# Allegro board RK3576_Template_LP5D315P132SD8_25x36_2400MHz_H1R0_V11_20240530YWQ.brd (continued)
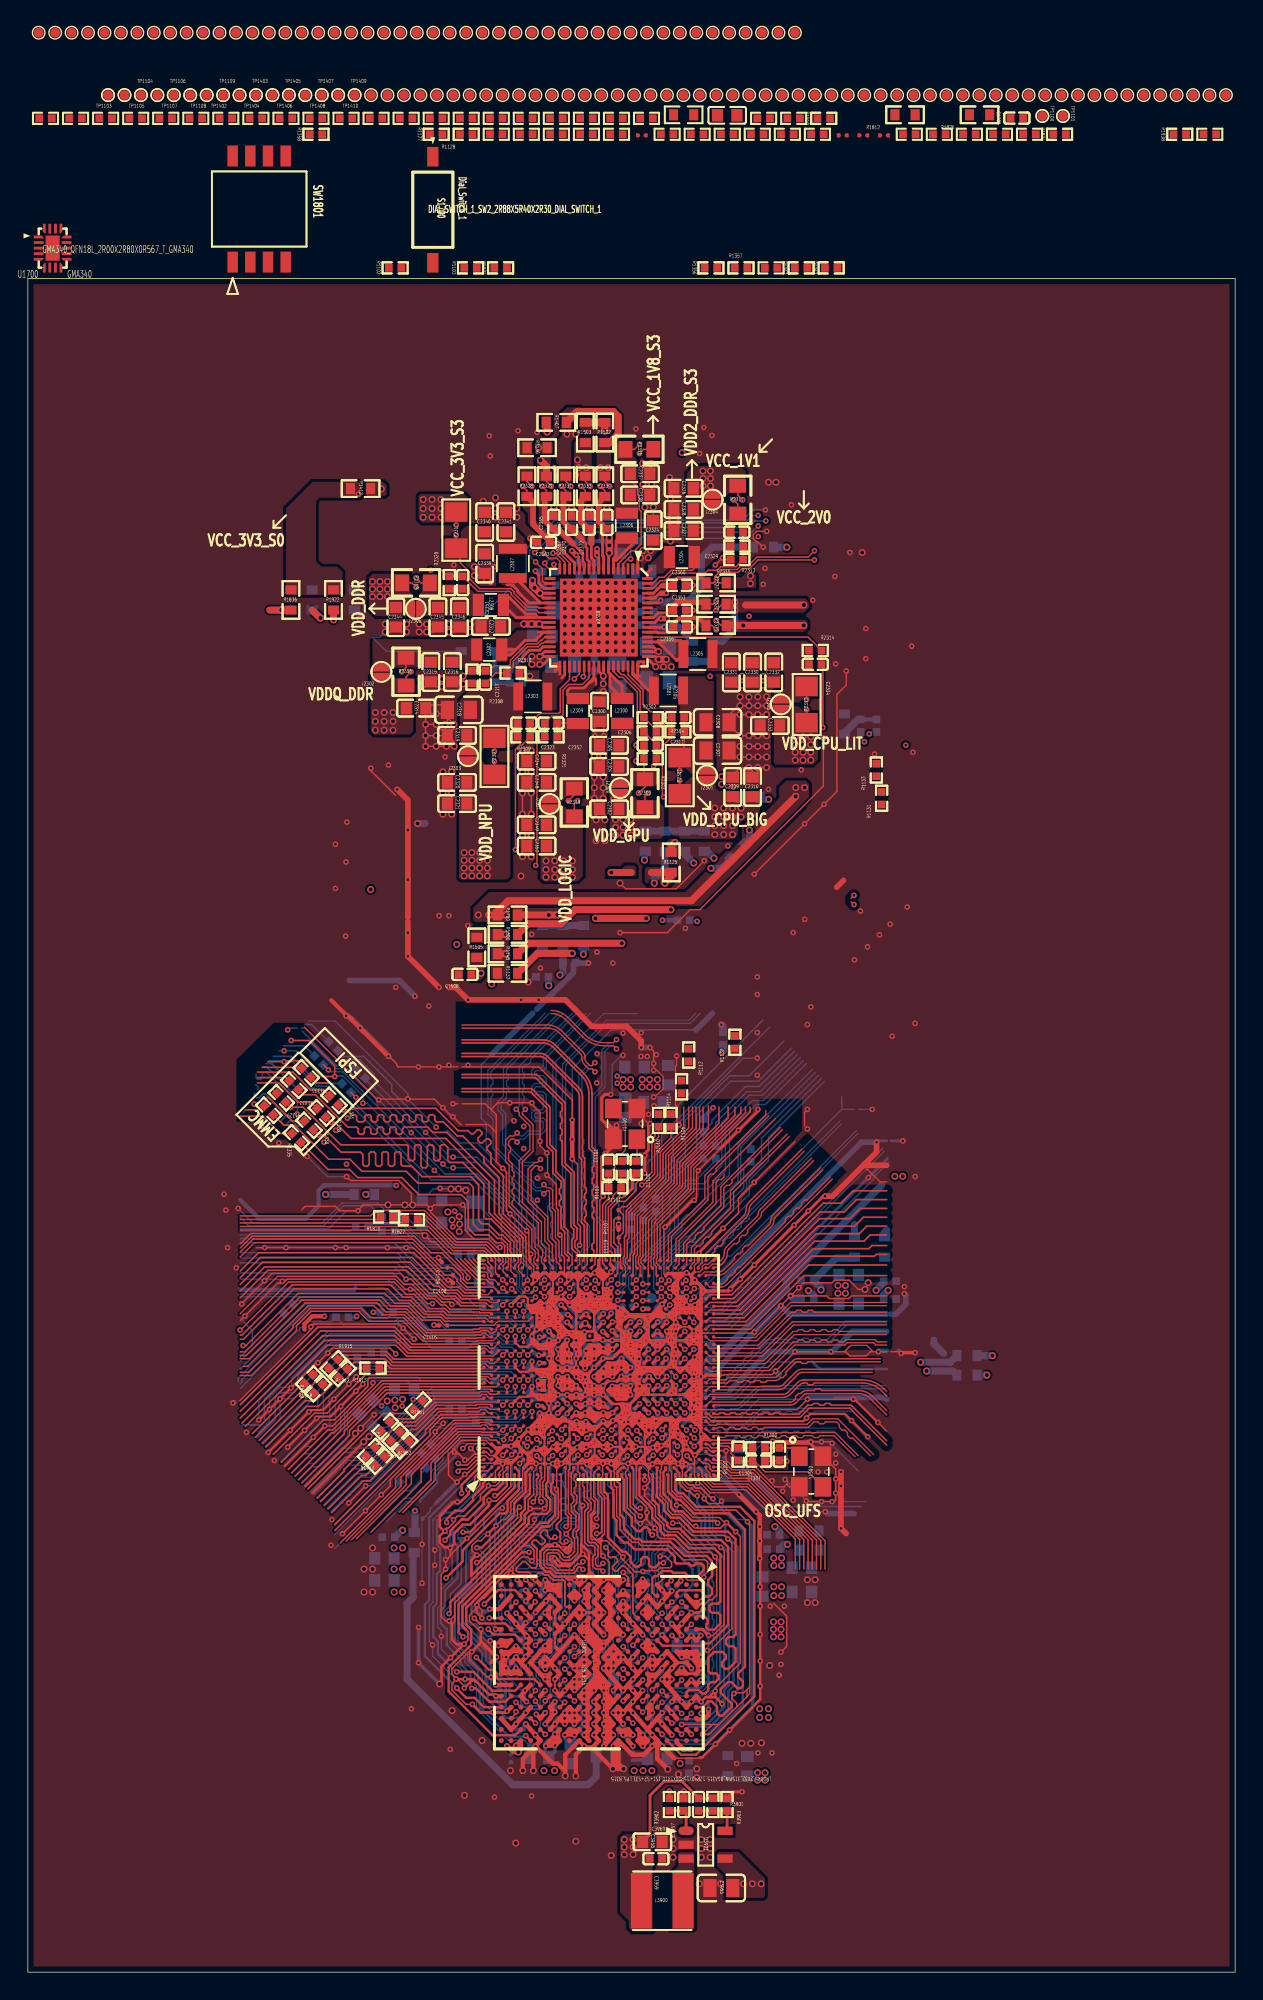
[diagram p0: board, top side]
## Routing (per net, layer and track width the routed paths; a pad name or vN(x,y) marks a point on that pad's centre or on a via; arc(x,y) is an arc through that point) (continued)
UFS_TX_REXT: length 0.9
  TOP w0.102: U1000.2R2 v1(46.55,40.18)
  BOTTOM w0.305: v1(46.55,40.18) 46.79,39.94 R1301.1
USB2_HOST1_DM: length 18
  TOP w0.107: U1000.2T5 v1(47.2,42.78)
  BOTTOM w0.107: v1(47.2,42.78) 47.44,42.54 47.61,42.54 47.87,42.29 48.17,42.29 48.29,42.41 48.59,42.41 48.71,42.29 49.02,42.29 49.13,42.41 49.44,42.41 49.55,42.29 49.89,42.29 50.22,42.62 50.22,42.78 50.43,43 50.6,43 50.81,43.22 50.81,43.38 51.03,43.6 51.19,43.6 51.41,43.81 51.41,43.98 51.63,44.19 51.79,44.19 52.01,44.41 52.01,44.57 52.22,44.79 52.39,44.79 53.03,45.44 53.59,45.44 53.7,45.54 54,45.54 54.11,45.44 54.73,45.44 54.84,45.54 55.14,45.54 55.25,45.44 55.62,45.44 55.73,45.54 56.03,45.54 56.14,45.44 56.44,45.44 56.55,45.54 56.86,45.54 56.96,45.44 57.44,45.44 58.76,46.76 61.7,46.76
USB2_HOST1_DP: length 17
  TOP w0.107: U1000.2T4 v1(47.2,42.13)
  BOTTOM w0.107: 61.7,46.54 58.86,46.54 57.53,45.21 53.13,45.21 49.98,42.07 47.77,42.07 47.52,42.32 47.38,42.32 v1(47.2,42.13)
USB2_OTG0_DM: length 14.4
  TOP w0.107: U1000.AL9 49.32,40.08 49.63,40.08 49.72,40.17 50.02,40.17 50.11,40.08 50.41,40.08 50.5,40.17 50.81,40.17 50.9,40.08 51.2,40.08 51.29,40.17 51.6,40.17 51.68,40.08 51.99,40.08 52.08,40.17 52.38,40.17 52.47,40.08 52.78,40.08 52.87,40.17 53.17,40.17 53.26,40.08 53.56,40.08 53.65,40.17 53.96,40.17 54.05,40.08 55.39,40.08 56.04,40.74 56.35,40.74 56.46,40.85 56.77,40.85 56.88,40.74 57.19,40.74 57.31,40.85 57.61,40.85 57.73,40.74 59.15,40.74 61.7,38.18
USB2_OTG0_DP: length 14.5
  TOP w0.102: 49.34,39.86 49.16,39.86 48.88,40.13 U1000.AK9
  TOP w0.107: 49.34,39.86 55.48,39.86 56.13,40.51 59.05,40.51 61.7,37.86
USB2_OTG0_ID: length 3.1
  TOP w0.102: U1000.2R6 v1(46.55,42.78)
  BOTTOM w0.089: TP1400.1 48.86,43.14 46.67,43.14 46.55,43.02 v1(46.55,42.78)
USB2_OTG0_REXT: length 1.3
  TOP w0.102: U1000.2R3 v1(46.55,40.83)
  BOTTOM w0.089: v1(46.55,40.83) 47.01,41.3 R1401.1
USB2_OTG0_VBUSDET: length 11.5
  TOP w0.102: U1000.2P3 v1(45.9,40.83)
  BOTTOM w0.089: v1(45.9,40.83) 46.23,41.17 46.62,41.17 47.04,41.6 48.29,41.6 C1404.1
  BOTTOM w0.102: C1404.1 48.53,41.35 50.62,41.35 53.11,43.84 55.48,43.84
USB2_OTG1_ID: length 2.8
  TOP w0.102: U1000.2T9 v1(47.2,44.73)
  BOTTOM w0.089: v1(47.2,44.73) 47.29,44.73 47.61,45.06 47.96,45.06 48.17,45.27 48.77,45.27
  BOTTOM w0.102: TP1401.1 48.84,45.27 48.77,45.27
USB2_OTG1_REXT: length 1.1
  TOP w0.102: U1000.2U8 v1(47.85,44.73)
  BOTTOM w0.089: R1402.1 48.11,44.73 v1(47.85,44.73)
USB2_OTG1_VBUSDET: length 20.5
  TOP w0.102: U1000.2T10 v1(47.2,46.03)
  BOTTOM w0.102: 61.85,58.19 60.74,57.08 60.74,56.94 50.29,46.48 48.87,46.48 C1409.1 48.09,45.7 47.53,45.7 v1(47.2,46.03)
USB2_OTG_AVDD1V8: length 25.6
  TOP w0.229: U1000.2P4 v1(45.9,42.13)
  L4-SIG w0.089: 47.06,42.46 46.87,42.27 ; 47.06,42.46 47.33,42.46 ; 47.06,42.46 46.86,42.46 ; 46.87,42.27 46.86,42.28 ; 46.87,42.27 46.87,42 ; 47.62,42.42 47.58,42.46 47.33,42.46 ; 46.86,42.28 46.86,42.46 ; 46.86,42.28 46.68,42.46 ; 47.33,42.46 47.62,42.16 ; 46.86,42.46 46.68,42.46 ; 46.68,42.46 46.41,42.46 ; 46.41,42.46 46.09,42.13 46.06,42.13 ; 46.41,42.46 46.01,42.46 45.9,42.34 v1(45.9,42.13) ; 47.08,41.79 46.87,42 ; 46.87,42 46.87,41.92 46.74,41.79
  L4-SIG w0.102: 50.86,42.25 50.77,42.16 48.1,42.16 48.02,42.24 47.8,42.24 47.62,42.42
  L4-SIG w0.127: 46.4,41.79 46.06,42.13 v1(45.9,42.13) 45.9,41.92 46.02,41.79 46.4,41.79 ; 46.4,41.79 47.34,41.79 47.62,42.08 47.62,42.42
  L4-SIG w0.508: v2(60.95,48.98) 58.88,46.91 58.24,46.91 53.58,42.25 50.86,42.25
  BOTTOM w0.305: C1406.1 46.05,41.98 v1(45.9,42.13)
  BOTTOM w0.508: C1407.1 61.48,49.52 v2(60.95,48.98)
USB2_OTG_AVDD3V3: length 22
  TOP w0.229: v1(45.85,44.08) 45.84,44.08 45.84,44.03 U1000.2P7
  BOTTOM w0.203: 48.9,44.06 48.23,43.39 46.56,43.39 C1408.1
  BOTTOM w0.305: v1(45.85,44.08) 45.85,44.08 46.19,43.74 C1408.1
  BOTTOM w0.508: 61.34,56.52 54.48,49.67 54.48,49.15 49.39,44.06 48.9,44.06
  vias: v2(25.4,106.55)
USB2_OTG_DVDD0V75: length 96.9
  TOP w0.203: v1(45.9,42.78) U1000.2P5
  TOP w0.508: 37.31,111.3 v2(37.31,110.64)
  L4-SIG w0.089: 48.77,43.13 48.75,43.14
  L4-SIG w0.102: 49.15,42.89 49.51,42.53 49.8,42.53 50.32,43.05 50.93,43.05 50.67,43.31 48.92,43.31 48.77,43.15
  L4-SIG w0.152: v1(45.9,42.78) 46.25,43.14 48.75,43.14 48.77,43.15
  L4-SIG w0.508: 50.93,43.05 51.89,43.05 57.6,48.76 57.6,53.93 55.45,56.08 55.45,72.93 54.25,74.13 54.25,77.61 52.47,79.39 52.47,85.01 50.55,86.93 50.55,93.34 52.37,95.17 52.37,98.38 51.31,99.44 51.31,104.02 49.95,105.37 49.95,108.8 47.3,111.45 38.12,111.45 v2(37.31,110.64)
  BOTTOM w0.229: C1405.1 45.62,43.06 v1(45.9,42.78)
USB3_HOST_PWREN_H: length 7.3
  BOTTOM w0.102: R1109.2 51.94,59.56 56.8,64.42
USB3_OTG0/DP_TX_AVDD0V85: length 21.3
  TOP w0.229: U1000.2M5 44.6,42.78 v1(44.65,42.78) 44.92,42.51 U1000.2N5
  L4-SIG w0.102: 48.73,43.78 48.93,43.78
  L4-SIG w0.152: 48.29,43.46 48.41,43.46 48.73,43.78 48.6,43.78 48.29,43.46 ; 48.29,43.46 45.32,43.46 v1(44.65,42.78)
  L4-SIG w0.508: v2(56.99,49.01) 51.75,43.78 48.93,43.78
  BOTTOM w0.254: C1400.1 44.42,43.01 v1(44.65,42.78)
  BOTTOM w0.508: 59.39,51.29 58.06,51.29 C1401.1 56.99,49.16 v2(56.99,49.01)
USB3_OTG0/DP_TX_AVDD1V8: length 61
  TOP w0.229: U1000.2N4 45.25,42.13 v1(45.27,42.13)
  L4-SIG w0.203: v1(45.27,42.13) 45.88,41.52 47.45,41.52 47.57,41.64 48.81,41.64
  L4-SIG w0.508: v2(53.23,84.26) 53.23,79.5 56.97,75.75 56.97,57.41 61.81,52.57 v2(61.81,48.98) 59.13,46.3 58.49,46.3 53.83,41.64 48.81,41.64
  BOTTOM w0.305: v1(45.27,42.13) 45.5,41.9 C1402.1
  BOTTOM w0.508: v2(53.23,84.26) 52.76,84.26 R1404.1 ; C1403.1 61.48,48.66 v2(61.81,48.98)
USB3_OTG0_DP_TX_REXT: length 0.9
  TOP w0.102: U1000.2T7 v1(47.2,44.08)
  BOTTOM w0.102: v1(47.2,44.08) 47.45,43.83 R1400.1
USB3_OTG0_SSRX1N/DP_TX_D0N: length 13.3
  TOP w0.098: U1000.AL10 49.32,40.73 54.76,40.73 arc(55,40.78) 55.2,40.92 55.78,41.5 arc(55.85,41.54) 55.93,41.56 59.69,41.56 arc(60.14,41.47) 60.51,41.22 61.7,40.03
USB3_OTG0_SSRX1P/DP_TX_D0P: length 14.1
  TOP w0.098: 61.7,40.34 60.67,41.38 arc(60.22,41.68) 59.69,41.78 57.04,41.78 56.92,41.9 56.62,41.9 56.5,41.78 55.93,41.78 arc(55.77,41.75) 55.63,41.66 55.54,41.57 55.37,41.57 55.16,41.35 55.16,41.19 55.05,41.08 arc(54.92,40.99) 54.76,40.96 49,40.96 U1000.AK10
USB3_OTG0_SSRX2N/DP_TX_D2N: length 11.9
  TOP w0.098: 60.66,43.08 55.63,43.08 arc(55.48,43.05) 55.35,42.97 54.44,42.06 arc(54.19,41.89) 53.9,41.83 49.32,41.83 U1000.AL12
USB3_OTG0_SSRX2P/DP_TX_D2P: length 12.5
  TOP w0.098: U1000.AK12 49,42.06 53.9,42.06 arc(54.11,42.1) 54.28,42.22 55.19,43.13 arc(55.39,43.26) 55.63,43.31 60.66,43.31
USB3_OTG0_SSTX1N/DP_TX_D1N: length 13.7
  TOP w0.098: U1000.AK11 49,41.51 54.25,41.51 arc(54.45,41.55) 54.61,41.66 55.32,42.37 arc(55.52,42.5) 55.75,42.54 59.94,42.54 arc(60.79,42.38) 61.51,41.9 arc(61.52,41.9) 61.52,41.89 61.7,41.71
USB3_OTG0_SSTX1P/DP_TX_D1P: length 13.2
  TOP w0.098: 61.7,41.39 61.36,41.74 arc(60.71,42.17) 59.94,42.32 56.5,42.32 56.38,42.2 56.08,42.2 55.96,42.32 55.75,42.32 arc(55.6,42.29) 55.48,42.21 54.77,41.5 arc(54.53,41.34) 54.25,41.28 49.32,41.28 U1000.AL11
USB3_OTG0_SSTX2N/DP_TX_D3N: length 13.3
  TOP w0.098: 61.24,44.07 55.3,44.07 arc(55.13,44.04) 54.99,43.94 53.85,42.8 arc(53.76,42.74) 53.66,42.72 50.34,42.72 50.17,42.55 49.52,42.55 49.47,42.61 49,42.61 U1000.AK13
USB3_OTG0_SSTX2P/DP_TX_D3P: length 13.1
  TOP w0.098: 61.24,43.85 56.05,43.85 55.94,43.73 55.63,43.73 55.52,43.85 55.3,43.85 arc(55.22,43.83) 55.15,43.78 54.46,43.1 54.46,42.93 54.25,42.71 54.08,42.71 54.01,42.64 arc(53.85,42.54) 53.66,42.5 53.11,42.5 52.99,42.38 52.69,42.38 52.57,42.5 52.27,42.5 52.15,42.38 51.85,42.38 51.73,42.5 51.42,42.5 51.31,42.38 51,42.38 50.89,42.5 50.44,42.5 50.26,42.33 49.28,42.33 U1000.AL13
WIFI_PCIE0_REFCLKN: length 24.6
  TOP w0.089: v1(42.29,66.99) 42.07,66.77 41.4,66.77 arc(40.67,66.92) 40.04,67.33 40.04,67.34 38.78,68.6 arc(38.24,68.96) 37.59,69.09 ; v1(40.76,49.69) 40.77,49.69 U1000.1N23
  BOTTOM w0.089: v1(40.76,49.69) 40.76,49.73 41.18,50.15 41.18,53.69 40.54,54.33 40.54,62.96 41.24,63.65 41.24,66.23 41.78,66.77 42.07,66.77 v1(42.29,66.99)
WIFI_PCIE0_REFCLKP: length 25.3
  TOP w0.089: U1000.1N22 v1(40.72,49.13) ; v1(42.29,66.33) 42.07,66.55 41.4,66.55 arc(40.58,66.71) 39.88,67.18 39.88,67.18 38.62,68.44 arc(38.15,68.75) 37.59,68.86
  BOTTOM w0.089: v1(42.29,66.33) 42.07,66.55 41.87,66.55 41.46,66.14 41.46,63.56 40.77,62.86 40.77,57.36 40.9,57.23 40.9,56.95 40.77,56.81 40.77,56.54 40.9,56.4 40.9,56.12 40.77,55.99 40.77,55.25 40.9,55.11 40.9,54.83 40.77,54.7 40.77,54.42 41.4,53.78 41.4,50.04 41.15,49.78 41.15,49.56 v1(40.72,49.13)
WIFI_PCIE0_RXN: length 23.7
  TOP w0.117: U1000.R29 40.52,51.18 40.52,51.38 40.66,51.52 40.66,51.83 40.53,51.96 40.53,52.27 40.66,52.4 40.66,54.1 40.56,54.2 40.56,54.51 40.66,54.62 40.66,54.92 40.56,55.03 40.56,55.33 40.66,55.44 40.66,55.74 40.56,55.85 40.56,56.15 40.66,56.26 40.66,56.57 40.56,56.67 40.56,56.98 40.66,57.08 40.66,57.39 40.56,57.5 40.56,57.8 40.66,57.91 40.66,58.84 40.31,59.2 40.31,63.12 arc(40.17,63.82) 39.77,64.41 37.74,66.44 arc(37.4,66.67) 37,66.75 31.19,66.75
WIFI_PCIE0_RXP: length 24.1
  TOP w0.102: 40.75,51.29 40.75,50.86 U1000.R28
  TOP w0.117: 40.75,51.29 40.89,51.43 40.89,58.93 40.53,59.29 40.53,63.12 arc(40.38,63.9) 39.93,64.57 37.9,66.6 arc(37.49,66.88) 37,66.97 31.19,66.97
WIFI_PCIE0_TXN: length 22.9
  TOP w0.102: 40.2,51.31 40.2,50.86 U1000.P28
  TOP w0.117: 31.19,66 36.83,66 arc(37.1,65.94) 37.33,65.79 39.56,63.56 arc(39.78,63.24) 39.85,62.85 39.85,58.63 40.01,58.48 40.01,56.4 40.11,56.3 40.11,55.99 40.01,55.89 40.01,55.58 40.11,55.48 40.11,55.17 40.01,55.06 40.01,54.76 40.11,54.65 40.11,54.35 40.01,54.24 40.01,53.94 40.2,53.74 40.2,51.31
WIFI_PCIE0_TXP: length 21.7
  TOP w0.117: 31.19,65.77 36.83,65.77 arc(37.02,65.74) 37.17,65.63 39.4,63.4 arc(39.57,63.15) 39.63,62.85 39.63,58.54 39.78,58.39 39.78,53.84 39.97,53.65 39.97,51.19 U1000.P29
WIFI_WAKE_HOST_H: length 9.6
  BOTTOM w0.102: 55.29,65.92 52.61,63.25 51.65,63.25 49.42,61.02 R1118.2
XIN_24M: length 12.7
  TOP w0.089: C1101.1 42.16,57.81 42.16,58.55 42.42,58.8 42.67,58.8 42.93,59.05 42.93,61.17 Y1100.3
  TOP w0.102: C1101.1 R1101.2 41.73,55.57 41.3,55.14 41.3,50.91 41.57,50.63 U1000.U28
XOUT_24M: length 6.8
  TOP w0.089: R1100.2 42.63,57.3 R1101.1
  TOP w0.102: U1000.U29 41.5,51.2 41.5,55.06 42.04,55.6 42.04,55.76 R1101.1
ZQ_A: length 1
  TOP w0.114: U1000.1R6 v1(41.94,38.95)
  BOTTOM w0.089: v1(41.94,38.95) 42.16,38.95 R1200.2
ZQ_B: length 1
  TOP w0.114: U1000.1J6 v1(38.36,38.98)
  BOTTOM w0.089: v1(38.36,38.98) 38.52,39.13 R1201.1
N15661080: length 2.4
  BOTTOM w0.305: R2330.1 33.54,93.6 D2301.2 C2361.2
N15663308: length 2.3
  TOP w0.102: v1(37.73,101.93) 37.94,101.93 38.57,101.3 U2300.16
  BOTTOM w0.102: TP2318.1 37.73,102.14 v1(37.73,101.93)
N19347246: length 2.6
  TOP w0.089: R1100.1 C1100.1 43.76,58.33 Y1100.1
N19625788: length 1
  TOP w0.102: U1000.1B21 v1(34.12,47.93)
  BOTTOM w0.114: v1(34.12,47.93) 34.04,47.85 R1353.1
N19625800: length 1.8
  TOP w0.114: U1000.1G23 v1(37.12,49.13)
  BOTTOM w0.114: R1310.1 36.78,50.12 36.78,49.47 v1(37.12,49.13)
N19628194: length 17.7
  TOP w0.102: U1000.1D18 v1(35.32,46.13)
  BOTTOM w0.102: v1(35.32,46.13) 35.19,46.13 34.59,46.73 30.29,46.73 29.56,47.46 28.84,47.46 28.22,48.09 25.63,48.09 25.45,48.26 19.38,48.26 R1911.1
N19628195: length 5.8
  TOP w0.089: U1000.1E15 v1(35.92,44.33)
  BOTTOM w0.102: v1(35.92,44.33) 35.14,45.11 34.1,45.11 33.64,45.58 31.42,45.58 R1949.1
N19628229: length 3.9
  TOP w0.102: v1(36.22,40.27) U1000.1E7
  BOTTOM w0.102: R1951.1 33.11,39.51 35.19,39.51 35.56,39.88 35.83,39.88 v1(36.22,40.27)
N19628230: length 1
  TOP w0.102: U1000.1B12 v1(34.12,42.53)
  BOTTOM w0.102: v1(34.12,42.53) 34.08,42.49 R1952.1
N19628231: length 3.8
  TOP w0.102: U1000.1B7 v1(34.42,40.27)
  BOTTOM w0.102: R1953.1 31.26,40.51 33.66,40.51 33.9,40.27 v1(34.42,40.27)
N21004058: length 2.8
  TOP w0.102: R1300.2 C1301.1 54.92,37.66 55.43,37.16 Y1300.1
N35221938: length 2.5
  TOP w0.203: U3901.1 47.29,11.43 C3969.1 R3902.2
N35221944: length 3.5
  TOP w0.203: U3901.5 50.24,10.3 R3903.1 R3901.2 C3957.2
N65304143: length 1
  TOP w0.33: U3900.H15 v1(43.47,16.23)
  BOTTOM w0.102: v1(43.47,16.23) 43.47,15.82 R3900.2

## Copper pours and planes (outline as drawn; the poured copper is in the pictures)
GND on TOP, BOTTOM, L2-GND, L3-POWER, L4-SIG, L5-GND, L6-SIG, L7-GND: 0.41,0.41 0.41,121.26 86.33,121.26 86.33,0.41
VCC5V0_SYS_S5 on TOP: 43.69,101.86 44.22,102.39 44.28,102.48 44.3,102.57 44.3,102.89 44.45,103.04 44.45,103.25 45.44,103.25 45.44,102.24 44.27,101.06 44.27,100.72 44.26,100.71 44.07,100.71 44.07,101.22 43.96,101.32 43.74,101.32 43.72,101.35 43.69,101.38
VCC5V0_SYS_S5 on TOP: 40.56,90.98 40.56,91.86 40.92,92.22 40.93,92.23 41.01,92.28 41.07,92.36 41.07,92.37 41.12,92.42 41.12,92.43 41.12,93.07 41.27,93.22 41.38,93.22 41.53,93.07 41.53,91.13 41.61,91.04 41.5,90.93 40.62,90.93
VCC5V0_SYS_S5 on TOP: 33.5,96.27 33.5,97.16 33.53,97.18 34.84,97.18 34.92,97.1 35.09,97.1 35.14,97.05 36.28,97.05 36.32,97.04 36.32,96.67 36.24,96.59 35.07,96.59 34.61,96.14 34.27,96.14 34.27,96.14 33.63,96.14
VCC5V0_SYS_S5 on TOP: 44.57,94.12 44.57,94.21 44.67,94.31 44.98,94.31 44.98,94.92 45.06,95 45.21,94.86 45.31,94.96 45.55,94.96 46.44,94.07 46.44,93.62 46.36,93.55 45.14,93.55
VCC5V0_SYS_S5 on TOP: 49.53,7.62 49.53,8.51 49.66,8.64 51.05,8.64 52.96,6.73 52.96,5.46 52.83,5.33 50.29,5.33 50.16,5.46 50.16,6.98
VCC5V0_SYS_S5 on TOP: 35.97,93.84 35.99,93.9 35.99,93.96 35.98,94.05 35.95,94.13 35.94,94.14 35.94,94.45 36.15,94.66 36.77,94.66 36.85,94.67 36.92,94.7 36.96,94.72 37.06,94.61 37.06,93.86 36.93,93.73 36.07,93.73 35.97,93.82
VCC5V0_SYS_S5 on BOTTOM: 44.95,94.35 45.08,94.49 45.08,95.53 45.42,95.87 45.48,95.88 46.49,95.88 46.71,95.66 46.71,92.33 46.46,92.07 45.57,92.07 45.08,92.57 45.08,93.46 45.07,93.5 45.06,93.54 45.06,93.6 44.95,93.71
VCC5V0_SYS_S5 on BOTTOM: 41.48,101.78 41.48,103.23 41.6,103.35 42.67,103.35 43.05,102.97 43.05,101.77 42.98,101.66 42.95,101.5 42.8,101.35 41.91,101.35
VCC5V0_SYS_S5 on BOTTOM: 43.65,101.61 43.65,102.11 43.88,102.34 45.74,102.34 46.2,101.88 46.2,98.93 46.08,98.81 45.76,98.81 45.64,98.9 45.49,98.93 45.47,98.93 45.42,98.98 45.42,98.99 45.36,99.11 45.24,99.16 45.22,99.16 45.19,99.19 44.81,99.19 44.68,99.31 44.68,100.37 44.72,100.37 44.72,101.01 44.68,101.01 44.68,101.09 44.43,101.35 44.02,101.35 43.98,101.36 43.95,101.36 43.8,101.36 43.66,101.5 43.66,101.56
VCC5V0_SYS_S5 on BOTTOM: 35.18,99.31 36.07,100.2 36.47,100.2 36.58,100.1 37.21,100.1 37.32,99.98 37.32,99.17 36.91,98.75 36.91,95.12 37.72,95.12 38.1,94.74 38.1,93.34 36.45,93.34 36.01,93.78 36.01,93.86 36,93.93 35.97,93.99 35.97,94.36 35.94,94.36 35.81,94.49 35.31,94.49 35.18,94.62
VCC5V0_SYS_S5 on BOTTOM: 41.04,92.96 41.4,93.32 42.8,93.32 43.16,92.96 43.16,91.82 42.91,91.58 41.27,91.58 41.04,91.81
VCC5V0_SYS_S5 on L3-POWER: 46.48,94.49 44.96,96.01 44.96,98.68 45.09,98.81 45.97,98.81 46.1,98.93 46.1,101.73 44.45,103.38 41.66,103.38 41.4,103.12 41.4,101.73 41.02,101.35 39.12,101.35 38.35,102.11 38.35,108.2 40.83,110.68 40.83,115.44 30.35,115.44 30.35,100.2 32.77,97.79 32.77,95.38 36.45,91.69 41.66,91.69 43.43,93.47 46.36,93.47 46.48,93.6
VCC_1V1_NLDO_S3 on BOTTOM: 39.12,102.49 41,102.49 41.15,102.34 41.15,101.22 40.89,100.97 39.37,100.97 39.24,101.09 39.24,101.6 38.86,101.98 38.86,102.23
VCC_1V8_S3 on TOP: 46.74,80.14 45.85,80.14 45.85,81.15 46.1,81.41 46.61,81.41 46.74,81.28
VCC_1V8_S3 on BOTTOM: 51.31,14.6 51.18,14.48 49.91,14.48 49.78,14.35 49.78,13.59 49.91,13.46 53.34,13.46 53.59,13.72 53.59,14.35 53.34,14.6
VCC_1V8_S3 on L4-SIG: 47.37,94.87 47.37,80.77 46.36,80.77 46.23,80.9 46.23,81.28 46.48,81.53 46.48,85.09 45.85,85.72 45.85,86.87 46.86,87.88 46.86,107.95 45.59,109.22 45.59,109.73 45.72,109.86 47.12,109.86 47.24,109.73 47.24,100.33 48.26,99.31 48.26,95.76
VCC_1V8_S3_P on TOP: 42.1,104.48 42.1,109.86 42.22,109.98 43.43,109.98 43.43,108.97 43.81,108.59 43.81,108.21 43.81,108.2 43.81,107.02 43.79,106.94 43.78,106.87 43.79,106.8 43.81,106.72 43.81,104.54 43.68,104.42 42.16,104.42
VCC_2V0_PLDO_S3 on BOTTOM: 44.68,97.41 44.68,98.04 45.44,98.04 46.2,97.28 46.2,97.13 46.1,97.03 45.43,97.03 45.42,97.07 45.36,97.19 45.24,97.25 45.22,97.25 45.06,97.41
VCC_3V3_S0 on TOP: 20.7,105.66 20.96,105.92 23.88,105.92 24,106.04 24,106.81 23.75,107.06 20.45,107.06 18.54,105.16 18.54,99.06 18.67,98.93 22.48,98.93 22.61,99.06 22.61,100.58 22.23,100.97 21.08,100.97 20.7,101.35
VCC_3V3_S3 on TOP: 31.62,104.27 31.5,104.14 28.32,104.14 28.07,104.39 28.07,106.04 28.19,106.17 31.37,106.17 31.62,105.92
VCC_3V3_S3_P on TOP: 35.69,103 35.69,102.74 35.94,102.49 35.94,101.98 35.81,101.85 33.66,101.85 33.27,101.47 29.97,101.47 29.84,101.6 29.84,102.87 29.97,103 30.99,103 31.12,103.12 31.12,103.5 31.5,103.89 34.8,103.89
VCCA1V8_PLDO6_S3 on TOP: 43.69,78.74 41.66,78.74 41.66,79.12 41.78,79.25 42.67,79.25 42.93,79.5 43.56,79.5 43.69,79.38
VCCA_1V8_S0 on TOP: 49.78,97.77 49.78,98.42 50.04,98.68 55.88,98.68 56.13,98.42 56.13,98.04 55.75,97.66 49.89,97.66
VCCA_1V8_S0 on L4-SIG: 50.16,94.61 51.05,95.5 51.05,98.55 50.67,98.93 50.04,98.93 49.91,98.81 49.91,97.79 49.78,97.66 49.28,97.66 48.9,97.28 48.9,95.5 48.13,94.74 48.13,86.61 48.2,86.55 48.2,85.41 48.58,85.03 49.97,85.03 50.16,85.22
VCCA_1V8_S0_P on TOP: 49.14,97.93 48.97,97.76 48.36,97.76 48.16,97.96 48.16,97.97 48.07,98.11 47.92,98.21 46.77,98.21 46.61,98.04 46.61,97.54 45.97,97.54 45.97,98.04 46.74,98.81 48.9,98.81 49.14,98.57
VCCIO0_1V8 on L4-SIG: 38.48,47.88 38.48,48.13 38.23,48.39 38.23,51.31 36.83,52.71 36.83,53.59 36.77,53.66 36.77,54.29 35.43,55.63 35.31,55.63 35.31,54.99 36.07,54.23 36.07,52.58 37.72,50.93 37.72,48.39 38.23,47.88
VCCIO1 on L4-SIG: 36.32,44.2 36.45,44.07 36.83,44.07 36.96,44.2 36.96,44.83 36.83,44.96 30.35,44.96 29.84,45.47 29.34,45.47 29.34,45.21 30.35,44.2
VCCIO2 on L4-SIG: 36.83,40.51 36.83,40.89 36.32,41.4 29.72,41.4 28.96,40.64 28.96,40.39 29.34,40.39 29.46,40.51
VCCIO3 on L4-SIG: 37.34,46.23 37.21,46.1 37.21,45.85 37.08,45.72 37.08,45.47 36.96,45.34 33.27,45.34 31.12,47.5 28.32,47.5 28.19,47.37 28.19,46.99 30.1,45.09 33.02,45.09 33.27,44.83 37.97,44.83 38.1,44.96 38.1,45.85 37.72,46.23
VCCIO4 on L4-SIG: 36.96,43.94 36.96,43.43 36.83,43.31 30.23,43.31 30.16,43.37 29.27,43.37 26.04,46.61 23.37,46.61 20.57,49.4 20.57,50.2 20.99,50.2 22.99,48.2 26.35,48.2 30.61,43.94
VCCIO5 on L4-SIG: 36.83,43.05 34.16,43.05 34.04,43.18 28.96,43.18 26.29,45.85 26.16,45.85 25.65,46.35 23.37,46.35 20.07,49.66 19.81,49.66 19.81,48.13 22.73,45.21 24.89,45.21 27.69,42.42 36.83,42.42
VCCIO6 on L4-SIG: 48.51,40.89 48.64,40.77 54.74,40.77 55.25,41.27 55.25,41.4 45.47,41.4 45.15,41.08 45.34,40.89
VCCIO7_VCC on L4-SIG: 48.13,39.75 48.51,40.13 52.32,40.13 52.58,40.39 52.58,40.51 48.64,40.51 48.39,40.77 45.09,40.77 45.09,41.02 44.7,41.4 44.58,41.4 44.45,41.27 44.45,41.02 44.32,40.89 44.32,40.64 44.45,40.51 44.58,40.51 44.83,40.26 44.83,39.88 44.96,39.75
VCCIO_SD_S0 on TOP: 50.04,100.2 51.3,100.2 51.68,100.59 52.07,100.59 52.32,100.34 52.32,99.44 51.69,99.44 51.66,99.41 50.04,99.41 49.91,99.54 49.91,100.08
VCCIO_SD_S0_P on TOP: 49.12,99.95 49.12,99.31 49.09,99.28 48.39,99.28 48.17,99.5 48.18,99.57 48.19,99.63 48.12,99.86 47.93,100.01 47.92,100.01 47.85,100.08 47.65,100.08 47.59,100.1 47.54,100.11 46.99,100.11 46.94,100.1 46.88,100.08 46.84,100.08 46.77,100.01 46.69,100.01 46.69,99.93 46.58,99.82 46.58,99.31 46.29,99.31 46.25,99.36 46.2,99.4 45.51,99.4 45.47,99.44 45.47,99.57 46.36,100.46 48.62,100.46
VDD1_1V8_DDR_S3 on BOTTOM: 46.86,14.73 46.99,14.73 47.12,14.86 47.75,14.86 48.01,15.11 50.55,15.11 50.8,15.37 50.8,16 50.55,16.26 46.86,16.26 46.61,16 46.61,14.99
VDD1_1V8_DDR_S3 on BOTTOM: 35.18,16.51 34.29,16.51 34.16,16.38 34.16,15.62 34.29,15.49 35.18,15.49 35.31,15.62 35.31,16.38
VDD1_1V8_DDR_S3 on L4-SIG: 34.54,15.37 33.53,16.38 33.53,19.56 34.04,20.07 34.04,20.7 33.4,21.34 33.4,22.35 34.42,23.37 34.42,23.62 33.91,24.13 33.91,27.69 34.8,28.57 36.07,28.57 36.45,28.19 36.45,16.51 35.31,15.37
VDD1_1V8_DDR_S3 on L4-SIG: 50.67,18.16 50.67,19.68 50.42,19.94 50.42,26.42 48.26,28.57 46.86,28.57 46.61,28.32 46.61,27.81 46.86,27.56 47.5,27.56 49.4,25.65 49.4,19.3 49.34,19.24 49.34,19.11 46.86,16.64 46.86,16 47.12,15.75 48.26,15.75
VDD1_1V8_DDR_S3 on L6-SIG: 35.05,16.64 34.42,16.64 34.16,16.38 34.16,14.1 34.67,13.59 47.5,13.59 47.75,13.84 47.75,15.24 47.88,15.37 47.88,16.26 47.62,16.51 46.61,16.51 45.72,15.62 36.07,15.62
VDD2_DDR_S3_P on TOP: 47.35,102.87 47.35,105.54 47.47,105.66 50.04,105.66 50.42,105.28 51.56,105.28 51.69,105.16 51.69,104.27 51.56,104.14 51.05,104.14 50.8,103.89 50.8,102.23 50.67,102.11 49.92,102.11 48.65,100.84 47.5,100.84 47.37,100.97 47.37,102.85
VDD2H_DDR_S3 on TOP: 51.17,108.22 51.56,107.82 51.56,106.3 50.42,106.3 50.04,105.92 47.6,105.92 47.36,106.16 47.36,107.7 47.88,108.22
VDD2H_DDR_S3 on BOTTOM: 46.86,22.61 46.86,21.72 47.24,21.72 47.37,21.84 47.37,21.97 47.5,22.1 47.75,22.1 48.26,21.59 48.39,21.59 48.51,21.72 48.51,22.1 48.39,22.22 48.39,22.35 48.64,22.61 48.64,23.75 48.51,23.88 47.75,23.88 47.5,23.62 47.5,23.11 47.12,22.73 46.99,22.73
VDD2H_DDR_S3 on BOTTOM: 35.18,21.97 34.92,22.22 34.92,22.73 35.31,23.11 35.31,23.49 35.18,23.62 35.05,23.62 34.29,22.86 34.29,21.72 34.67,21.34 34.92,21.34 35.05,21.46 35.05,21.72 35.18,21.84
VDD2H_DDR_S3 on BOTTOM: 42.16,16.89 42.04,16.76 42.04,16.64 41.4,16 41.4,14.99 41.02,14.6 40.77,14.6 40.39,14.99 40.39,16.38 39.5,17.27 39.5,20.07 39.75,20.32 39.88,20.32 40.26,20.7 40.26,21.46 41.02,21.46 41.15,21.34 41.15,20.83 42.04,19.94 42.04,19.05 41.78,18.8 41.78,18.54 42.04,18.29 42.04,17.27 42.16,17.14 ; 1 cut-out
VDD2H_DDR_S3 on L3-POWER: 38.86,15.75 38.8,15.81 38.8,19.24 37.21,20.83 37.08,20.83 36.96,20.95 34.42,20.95 34.04,21.34 34.04,23.62 34.29,23.88 37.21,23.88 37.72,24.38 37.72,27.43 38.23,27.94 40.64,27.94 41.02,27.56 42.16,27.56 42.53,27.19 42.53,26.92 44.07,25.39 44.07,24.13 44.45,23.75 44.96,23.75 45.21,23.49 49.15,23.49 49.78,24.13 49.78,25.4 49.91,25.53 53.72,25.53 54.86,26.67 54.86,28.19 69.22,42.54 69.22,56.9 72.14,59.82 72.14,90.93 66.42,96.65 53.98,96.65 50.23,100.39 50.23,101.66 48.26,103.63 48.26,107.95 48.39,108.08 51.05,108.08 55.63,103.5 76.71,103.5 80.01,100.2 80.01,81.91 80.07,81.85 80.07,76.2 82.3,73.98 82.3,43.94 57.91,19.56 45.34,19.56 45.09,19.81 44.07,19.81 43.94,19.68 43.94,17.78 43.31,17.14 43.31,16 43.05,15.75
VDD2H_DDR_S3 on L6-SIG: 53.59,23.62 53.34,23.88 53.34,25.65 53.59,25.91 54.36,25.91 55.91,27.46 56.61,27.46 57.91,28.77 57.91,32.32 57.94,32.35 57.94,32.54 65.66,40.26 65.66,66.93 64.52,68.07 64.52,91.31 59.18,96.65 53.98,96.65 50.23,100.39 50.23,101.66 48.26,103.63 48.26,107.95 48.39,108.08 51.05,108.08 55.88,103.25 63.37,103.25 71.06,95.57 71.06,33.97 60.71,23.62
VDD2L_0V9_DDR_S3 on TOP: 42.55,4.32 42.55,9.65 42.8,9.91 44.51,9.91 44.89,9.52 44.89,2.98 44.83,2.92 43.43,2.92 43.18,3.18 43.18,3.68
VDD2L_0V9_DDR_S3 on BOTTOM: 38.35,17.14 38.35,16.26 38.61,16 39.5,16 39.62,16.13 39.62,17.02 39.37,17.27 38.48,17.27
VDD2L_0V9_DDR_S3 on L4-SIG: 45.59,14.22 44.96,13.59 44.96,8.25 44.64,7.94 35.24,7.94 28.19,14.99 28.19,21.97 30.35,24.13 30.73,24.13 31.12,24.51 33.15,24.51 34.04,23.62 34.04,23.37 33.27,22.61 33.27,21.21 33.85,20.64 33.85,20.38 33.27,19.81 33.27,16.26 34.35,15.18 35.5,15.18 36.7,16.38 36.7,27.81 36.96,28.07 40.51,28.07 41.02,27.56 43.43,27.56 43.72,27.84 46.39,27.84 46.89,27.34 47.34,27.34 49.31,25.37 49.31,19.46 49.28,19.43 49.28,19.3 45.59,15.62
VDD_0V75_S3 on TOP: 35.43,109.98 36.32,109.98 36.32,107.06 35.43,107.06 35.31,107.19 35.31,109.86
VDD_0V75_S3_P on TOP: 35.54,106.04 35.79,106.3 36.3,106.3 36.42,106.17 36.42,104.39 36.47,104.34 36.47,104.31 37.31,103.47 37.31,103.43 37.37,103.28 37.52,103.22 37.56,103.22 37.59,103.2 37.62,103.2 37.68,103.13 37.95,103.13 38.73,102.35 38.73,102.28 38.7,102.19 38.69,102.11 38.72,101.96 38.81,101.83 39.14,101.5 39.15,101.44 39.1,101.41 39.04,101.41 37.99,102.46 37.91,102.52 37.81,102.54 37.19,102.54 37.19,102.87 37.18,102.88 37.18,103.09 37.05,103.09 37.01,103.14 36.94,103.18 36.58,103.54 36.51,103.6 36.43,103.64 36.42,103.64 35.94,104.12 35.94,104.78 35.54,105.18
VDD_CPU_BIG_S0 on TOP: 49.4,85.85 49.4,85.09 49.66,84.84 52.58,84.84 52.58,83.31 52.2,82.93 51.56,82.93 51.02,82.39 51.02,81.69 50.74,81.41 46.61,81.41 46.03,81.99 46.03,85.27 46.1,85.34 47.12,85.34 47.62,85.85
VDD_CPU_BIG_S0 on BOTTOM: 46.23,63.25 46.36,63.37 46.36,64.13 46.1,64.39 43.94,64.39 43.81,64.26 43.81,61.98 44.58,61.98 44.58,62.99 44.83,63.25
VDD_CPU_BIG_S0 on BOTTOM: 43.36,43.24 43.43,43.31 43.69,43.31 43.82,43.43 43.82,43.69 43.44,44.07 43.44,44.45 43.18,44.7 42.8,44.7 42.67,44.58 42.67,44.32 42.29,43.94 41.66,43.94 41.02,43.31 41.02,43.3 40.9,43.18 40.89,43.18 40.64,42.93 40.64,42.67 40.64,42.67 41.4,42.67 41.46,42.73 42.09,42.73 42.6,43.24
VDD_CPU_BIG_S0 on L3-POWER: 48.26,43.56 43.69,43.56 43.43,43.31 43.05,43.31 42.29,42.54 41.91,42.54 41.66,42.29 40.39,42.29 40.39,42.29 40.26,42.42 40.26,42.42 40.26,43.69 40.39,43.81 41.02,43.81 41.53,44.32 41.53,46.48 42.16,47.12 42.16,50.67 43.56,52.07 43.56,62.61 43.94,62.99 43.94,64.77 43.56,65.15 43.56,76.33 43.62,76.39 43.62,80.77 43.81,80.96 43.81,83.69 44.07,83.95 52.32,83.95 53.09,83.19 53.09,60.45 52.58,59.94 52.58,47.88